# Altium PCB VALVEBOARD_Kun.PcbDoc (part 2 of 13)
Units mil, origin at the board's own origin, x right, y up, seen from the top; angles counter-clockwise.
Board outline 10923.41 x 5583.88 mil, 2 copper layers (Top Layer, Bottom Layer), stack 10.8 mil thick; 1127 components, 626 nets, 3503 pads, 1418 vias.
Unrouted connection lines stored in the file: 1.
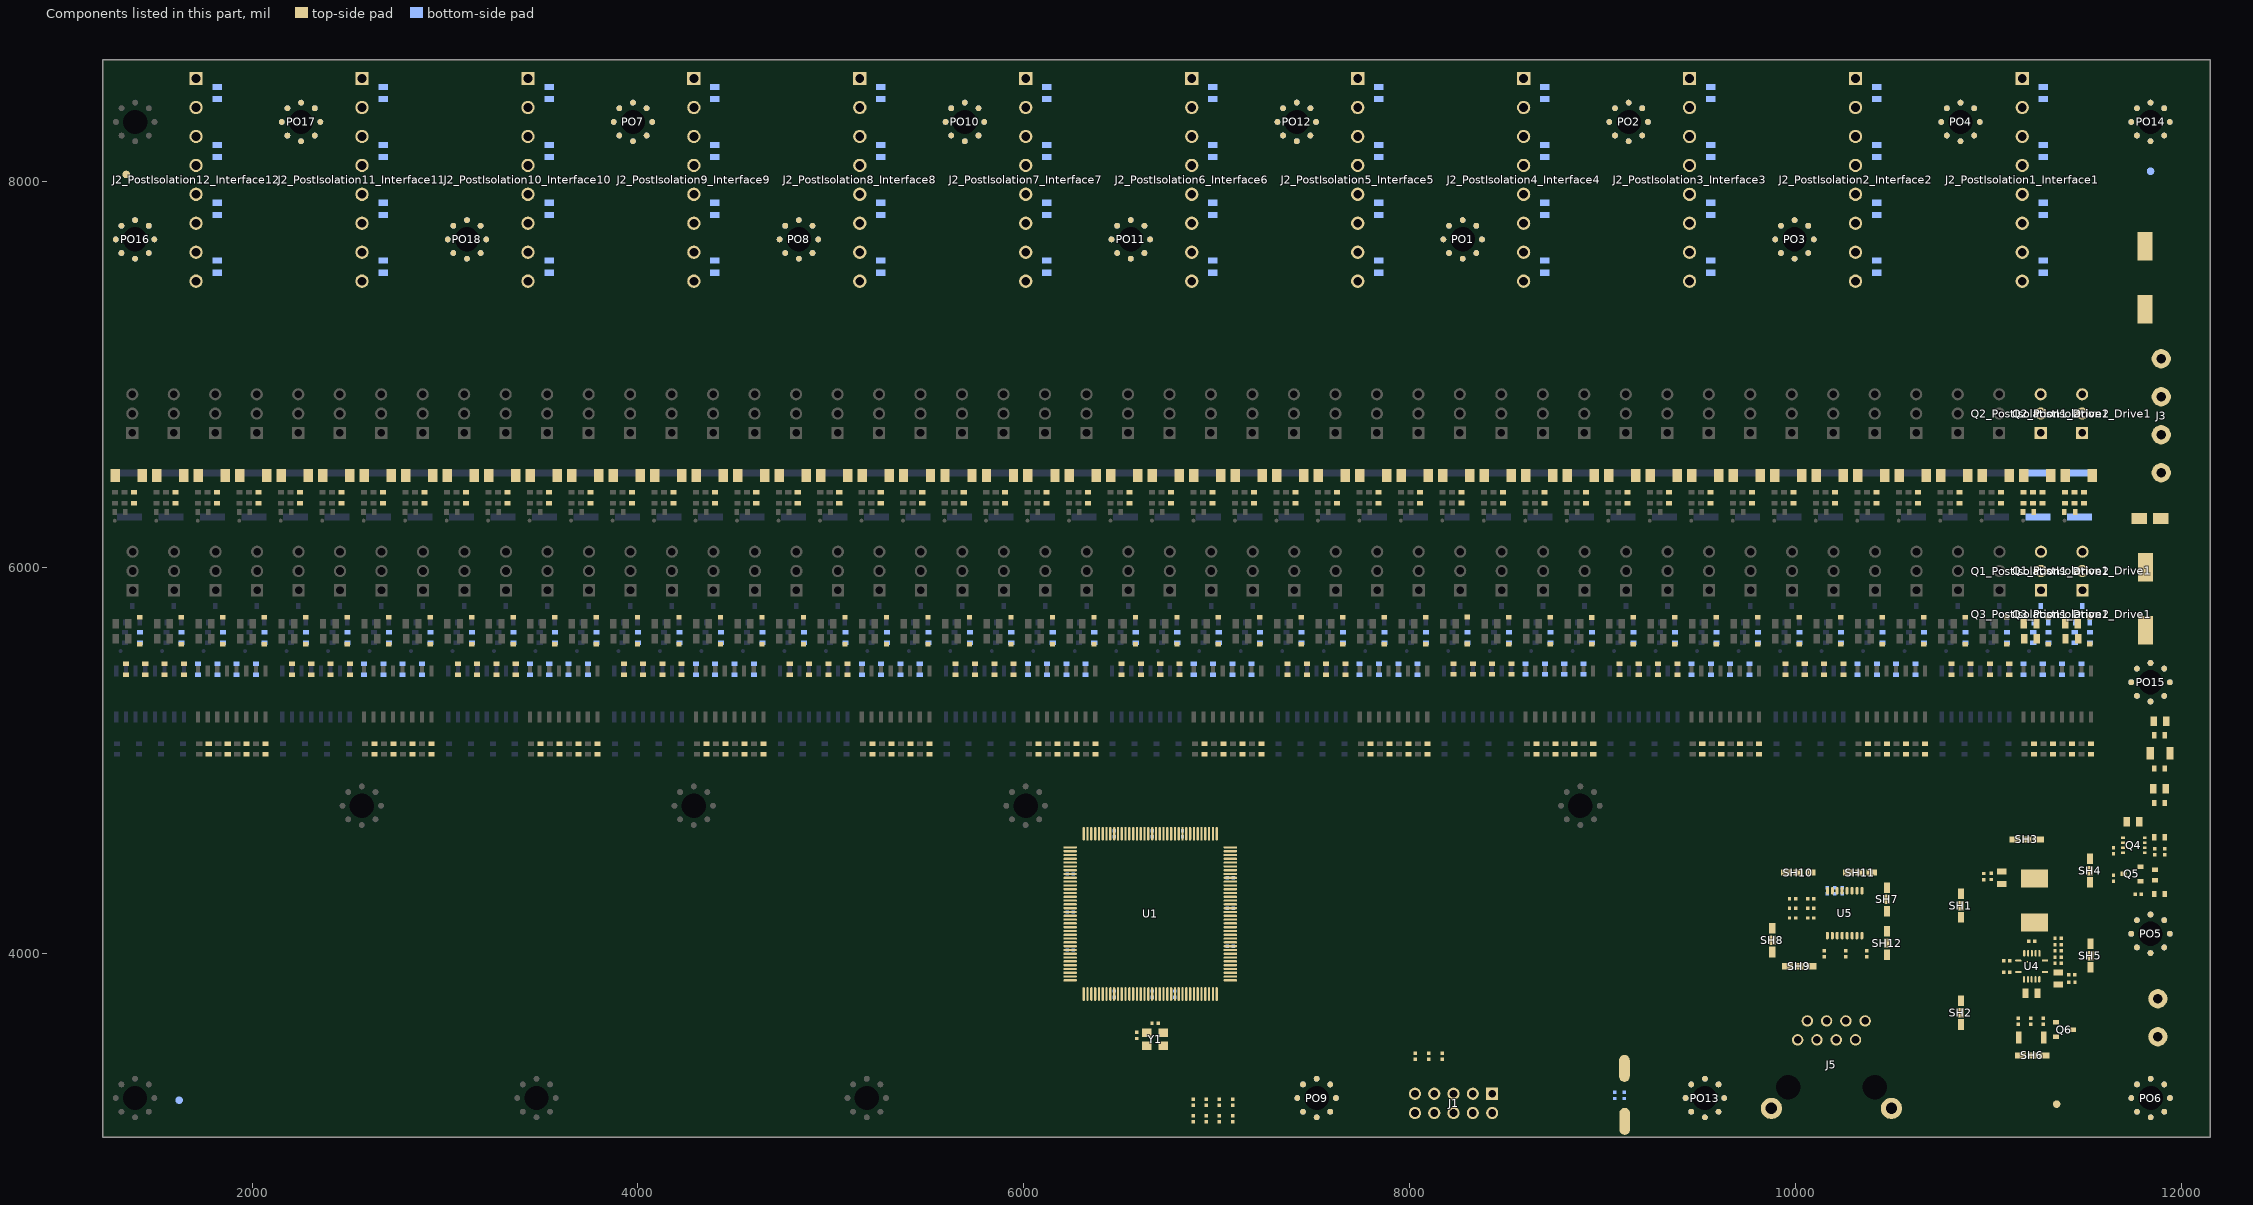
[diagram p2: the components of this part, seen from the top]

## Classes and differential pairs (continued)
component class PostIsolation1_Drive2: C27_PostIsolation1_Drive2 C28_PostIsolation1_Drive2 D5_PostIsolation1_Drive2 D6_PostIsolation1_Drive2 Q1_PostIsolation1_Drive2 Q2_PostIsolation1_Drive2 Q3_PostIsolation1_Drive2 R22_PostIsolation1_Drive2 R23_PostIsolation1_Drive2 R24_PostIsolation1_Drive2 R25_PostIsolation1_Drive2 R26_PostIsolation1_Drive2 R27_PostIsolation1_Drive2 R28_PostIsolation1_Drive2
component class PostIsolation1_Drive1: C27_PostIsolation1_Drive1 C28_PostIsolation1_Drive1 D5_PostIsolation1_Drive1 D6_PostIsolation1_Drive1 Q1_PostIsolation1_Drive1 Q2_PostIsolation1_Drive1 Q3_PostIsolation1_Drive1 R22_PostIsolation1_Drive1 R23_PostIsolation1_Drive1 R24_PostIsolation1_Drive1 R25_PostIsolation1_Drive1 R26_PostIsolation1_Drive1 R27_PostIsolation1_Drive1 R28_PostIsolation1_Drive1
component class Controller: C1 C2 C3 C4 C5 C6 C7 C8 C9 C10 C11 C12 C13 C14 J1 KEY1 R1 R2 R3 R4 R5 R6 R7 R8 R9 R10 R11 R12 R13 U1 Y1
differential pair class MY_DIFF: SCLK SDATA SEN
channel class VALVEBOARD_ValveInterface: PostIsolation1_Interface1 PostIsolation2_Interface2 PostIsolation3_Interface3 PostIsolation4_Interface4 PostIsolation5_Interface5 PostIsolation6_Interface6 PostIsolation7_Interface7 PostIsolation8_Interface8 PostIsolation9_Interface9 PostIsolation10_Interface10 PostIsolation11_Interface11 PostIsolation12_Interface12
channel class VALVEBOARD_ValveDrive: PostIsolation1_Drive1 PostIsolation1_Drive2 PostIsolation1_Drive3 PostIsolation1_Drive4 PostIsolation2_Drive1 PostIsolation2_Drive2 PostIsolation2_Drive3 PostIsolation2_Drive4 PostIsolation3_Drive1 PostIsolation3_Drive2 PostIsolation3_Drive3 PostIsolation3_Drive4 PostIsolation4_Drive1 PostIsolation4_Drive2 PostIsolation4_Drive3 PostIsolation4_Drive4 PostIsolation5_Drive1 PostIsolation5_Drive2 PostIsolation5_Drive3 PostIsolation5_Drive4 PostIsolation6_Drive1 PostIsolation6_Drive2 PostIsolation6_Drive3 PostIsolation6_Drive4 PostIsolation7_Drive1 PostIsolation7_Drive2 PostIsolation7_Drive3 PostIsolation7_Drive4 PostIsolation8_Drive1 PostIsolation8_Drive2 PostIsolation8_Drive3 PostIsolation8_Drive4 PostIsolation9_Drive1 PostIsolation9_Drive2 PostIsolation9_Drive3 PostIsolation9_Drive4 PostIsolation10_Drive1 PostIsolation10_Drive2 PostIsolation10_Drive3 PostIsolation10_Drive4 PostIsolation11_Drive1 PostIsolation11_Drive2 PostIsolation11_Drive3 PostIsolation11_Drive4 PostIsolation12_Drive1 PostIsolation12_Drive2 PostIsolation12_Drive3 PostIsolation12_Drive4
channel class VALVEBOARD_PostIsolation: PostIsolation1 PostIsolation2 PostIsolation3 PostIsolation4 PostIsolation5 PostIsolation6 PostIsolation7 PostIsolation8 PostIsolation9 PostIsolation10 PostIsolation11 PostIsolation12
channel class VALVEBOARD_Isolation: PostIsolation1_Isolation1 PostIsolation2_Isolation2 PostIsolation3_Isolation3 PostIsolation4_Isolation4 PostIsolation5_Isolation5 PostIsolation6_Isolation6 PostIsolation7_Isolation7 PostIsolation8_Isolation8 PostIsolation9_Isolation9 PostIsolation10_Isolation10 PostIsolation11_Isolation11 PostIsolation12_Isolation12
net class UP4_[1..12]: UP4_1 UP4_2 UP4_3 UP4_4 UP4_5 UP4_6 UP4_7 UP4_8 UP4_9 UP4_10 UP4_11 UP4_12
net class UP3_[1..12]: UP3_1 UP3_2 UP3_3 UP3_4 UP3_5 UP3_6 UP3_7 UP3_8 UP3_9 UP3_10 UP3_11 UP3_12
net class UP2_[1..12]: UP2_1 UP2_2 UP2_3 UP2_4 UP2_5 UP2_6 UP2_7 UP2_8 UP2_9 UP2_10 UP2_11 UP2_12
net class UP1_[1..12]: UP1_1 UP1_2 UP1_3 UP1_4 UP1_5 UP1_6 UP1_7 UP1_8 UP1_9 UP1_10 UP1_11 UP1_12
net class LO4_[1..12]: LO4_1 LO4_2 LO4_3 LO4_4 LO4_5 LO4_6 LO4_7 LO4_8 LO4_9 LO4_10 LO4_11 LO4_12
net class LO3_[1..12]: LO3_1 LO3_2 LO3_3 LO3_4 LO3_5 LO3_6 LO3_7 LO3_8 LO3_9 LO3_10 LO3_11 LO3_12
net class LO2_[1..12]: LO2_1 LO2_2 LO2_3 LO2_4 LO2_5 LO2_6 LO2_7 LO2_8 LO2_9 LO2_10 LO2_11 LO2_12
net class LO1_[1..12]: LO1_1 LO1_2 LO1_3 LO1_4 LO1_5 LO1_6 LO1_7 LO1_8 LO1_9 LO1_10 LO1_11 LO1_12
component class ValvePower: C29 C30 D7 D8 D9 D10 J3 MK1 MK2 MK3 MK4 PO1 PO2 PO3 PO4 PO5 PO6 PO7 PO8 PO9 PO10 PO11 PO12 PO13 PO14 PO15 PO16 PO17 PO18 R29 R30 R31
component class DigitalPower: C31 C32 C33 C34 C35 C36 C37 C38 C39 C40 C41 D11 J4 L1 LED1 LED2 Q4 Q5 Q6 R32 R33 R34 R35 R36 R37 R38 R39 R40 R41 R42 R43 R44 R45 SH1 SH2 SH3 SH4 SH5 SH6 U4
component class DigitalInterface: C42 C43 C44 J5 R46 R47 R48 R49 R50 R51 R52 R53 R54 SH7 SH8 SH9 SH10 SH11 SH12 U5
differential pair SEN: +SEN_P -SEN_N
differential pair SDATA: +SDATA_P -SDATA_N
differential pair SCLK: +SCLK_P -SCLK_N

## Components (designator, comment, footprint, x,y, rotation, side; value= is the part's Value field where it differs from the comment)
C1 "C-NOMO" C0402 6585,3575 r90 top value=100nF
C2 "C-NOMO" C0402 9111.96,3264.09 r90 bottom value=1uF
C3 "C-NOMO" C0402 6664.84,3789.65 r90 bottom value=0.1uF
C4 "C-NOMO" C0402 6664.84,4620.35 r270 bottom value=0.1uF
C5 "C-NOMO" C0402 6822.32,4620.35 r270 bottom value=0.1uF
C6 "C-NOMO" C0402 6239.65,4214.84 r0 bottom value=0.1uF
C7 "C-NOMO" C0402 6467.99,4620.35 r270 bottom value=0.1uF
C8 "C-NOMO" C0402 6467.99,3789.65 r90 bottom value=0.1uF
C9 "C-NOMO" C0402 6239.65,4017.99 r0 bottom value=0.1uF
C10 "C-NOMO" C0402 6782.95,3789.65 r90 bottom value=0.1uF
C11 "C-NOMO" C0402 7070.35,4037.68 r180 bottom value=0.1uF
C12 "C-NOMO" C0402 7070.35,4234.53 r180 bottom value=0.1uF
C13 "C-NOMO" C0402 6239.65,4411.69 r0 bottom value=0.1uF
C14 "C-NOMO" C0402 7070.35,4392.01 r180 bottom value=0.1uF
C15_PostIsolation1_Isolation1 "C-NOMO" C0603 11007.18,5472.99 r270 top value=100nF (schematic designator C15)
C15_PostIsolation2_Isolation2 "C-NOMO" C0603 10147.06,5473.01 r270 top value=100nF (schematic designator C15)
C15_PostIsolation3_Isolation3 "C-NOMO" C0603 9287,5473.01 r270 top value=100nF (schematic designator C15)
C15_PostIsolation4_Isolation4 "C-NOMO" C0603 8426.99,5473.44 r270 top value=100nF (schematic designator C15)
C15_PostIsolation5_Isolation5 "C-NOMO" C0603 7566.93,5472.99 r270 top value=100nF (schematic designator C15)
C15_PostIsolation6_Isolation6 "C-NOMO" C0603 6706.87,5472.99 r270 top value=100nF (schematic designator C15)
C15_PostIsolation7_Isolation7 "C-NOMO" C0603 5846.81,5472.99 r270 top value=100nF (schematic designator C15)
C15_PostIsolation8_Isolation8 "C-NOMO" C0603 4986.75,5472.99 r270 top value=100nF (schematic designator C15)
C15_PostIsolation9_Isolation9 "C-NOMO" C0603 4126.69,5472.99 r270 top value=100nF (schematic designator C15)
C15_PostIsolation10_Isolation10 "C-NOMO" C0603 3266.63,5472.99 r270 top value=100nF (schematic designator C15)
C15_PostIsolation11_Isolation11 "C-NOMO" C0603 2406.57,5472.99 r270 top value=100nF (schematic designator C15)
C15_PostIsolation12_Isolation12 "C-NOMO" C0603 1546.51,5472.99 r270 top value=100nF (schematic designator C15)
C16_PostIsolation1_Isolation1 "C-NOMO" C0603 11107.18,5472.99 r270 top value=100nF (schematic designator C16)
C16_PostIsolation2_Isolation2 "C-NOMO" C0603 10247.06,5473.01 r270 top value=100nF (schematic designator C16)
C16_PostIsolation3_Isolation3 "C-NOMO" C0603 9387,5473.01 r270 top value=100nF (schematic designator C16)
C16_PostIsolation4_Isolation4 "C-NOMO" C0603 8526.99,5473.44 r270 top value=100nF (schematic designator C16)
C16_PostIsolation5_Isolation5 "C-NOMO" C0603 7666.93,5472.99 r270 top value=100nF (schematic designator C16)
C16_PostIsolation6_Isolation6 "C-NOMO" C0603 6806.87,5472.99 r270 top value=100nF (schematic designator C16)
C16_PostIsolation7_Isolation7 "C-NOMO" C0603 5946.81,5472.99 r270 top value=100nF (schematic designator C16)
C16_PostIsolation8_Isolation8 "C-NOMO" C0603 5086.75,5472.99 r270 top value=100nF (schematic designator C16)
C16_PostIsolation9_Isolation9 "C-NOMO" C0603 4226.69,5472.99 r270 top value=100nF (schematic designator C16)
C16_PostIsolation10_Isolation10 "C-NOMO" C0603 3366.63,5472.99 r270 top value=100nF (schematic designator C16)
C16_PostIsolation11_Isolation11 "C-NOMO" C0603 2506.57,5472.99 r270 top value=100nF (schematic designator C16)
C16_PostIsolation12_Isolation12 "C-NOMO" C0603 1646.51,5472.99 r270 top value=100nF (schematic designator C16)
C17_PostIsolation1_Isolation1 "C-NOMO" C0603 10807.18,5472.99 r270 top value=100nF (schematic designator C17)
C17_PostIsolation2_Isolation2 "C-NOMO" C0603 9947.06,5473.01 r270 top value=100nF (schematic designator C17)
C17_PostIsolation3_Isolation3 "C-NOMO" C0603 9087,5473.01 r270 top value=100nF (schematic designator C17)
C17_PostIsolation4_Isolation4 "C-NOMO" C0603 8226.99,5473.44 r270 top value=100nF (schematic designator C17)
C17_PostIsolation5_Isolation5 "C-NOMO" C0603 7366.93,5472.99 r270 top value=100nF (schematic designator C17)
C17_PostIsolation6_Isolation6 "C-NOMO" C0603 6506.87,5472.99 r270 top value=100nF (schematic designator C17)
C17_PostIsolation7_Isolation7 "C-NOMO" C0603 5646.81,5472.99 r270 top value=100nF (schematic designator C17)
C17_PostIsolation8_Isolation8 "C-NOMO" C0603 4786.75,5472.99 r270 top value=100nF (schematic designator C17)
C17_PostIsolation9_Isolation9 "C-NOMO" C0603 3926.69,5472.99 r270 top value=100nF (schematic designator C17)
C17_PostIsolation10_Isolation10 "C-NOMO" C0603 3066.63,5472.99 r270 top value=100nF (schematic designator C17)
C17_PostIsolation11_Isolation11 "C-NOMO" C0603 2206.57,5472.99 r270 top value=100nF (schematic designator C17)
C17_PostIsolation12_Isolation12 "C-NOMO" C0603 1346.51,5472.99 r270 top value=100nF (schematic designator C17)
C18_PostIsolation1_Isolation1 "C-NOMO" C0603 10907.18,5472.99 r270 top value=100nF (schematic designator C18)
C18_PostIsolation2_Isolation2 "C-NOMO" C0603 10047.06,5473.01 r270 top value=100nF (schematic designator C18)
C18_PostIsolation3_Isolation3 "C-NOMO" C0603 9187,5473.01 r270 top value=100nF (schematic designator C18)
C18_PostIsolation4_Isolation4 "C-NOMO" C0603 8326.99,5473.44 r270 top value=100nF (schematic designator C18)
C18_PostIsolation5_Isolation5 "C-NOMO" C0603 7466.93,5472.99 r270 top value=100nF (schematic designator C18)
C18_PostIsolation6_Isolation6 "C-NOMO" C0603 6606.87,5472.99 r270 top value=100nF (schematic designator C18)
C18_PostIsolation7_Isolation7 "C-NOMO" C0603 5746.81,5472.99 r270 top value=100nF (schematic designator C18)
C18_PostIsolation8_Isolation8 "C-NOMO" C0603 4886.75,5472.99 r270 top value=100nF (schematic designator C18)
C18_PostIsolation9_Isolation9 "C-NOMO" C0603 4026.69,5472.99 r270 top value=100nF (schematic designator C18)
C18_PostIsolation10_Isolation10 "C-NOMO" C0603 3166.63,5472.99 r270 top value=100nF (schematic designator C18)
C18_PostIsolation11_Isolation11 "C-NOMO" C0603 2306.57,5472.99 r270 top value=100nF (schematic designator C18)
C18_PostIsolation12_Isolation12 "C-NOMO" C0603 1446.51,5472.99 r270 top value=100nF (schematic designator C18)
C19_PostIsolation1_Isolation1 "C-NOMO" C0603 11280.85,5472.99 r270 bottom value=100nF (schematic designator C19)
C19_PostIsolation2_Isolation2 "C-NOMO" C0603 10420.73,5473.01 r270 bottom value=100nF (schematic designator C19)
C19_PostIsolation3_Isolation3 "C-NOMO" C0603 9560.67,5473.01 r270 bottom value=100nF (schematic designator C19)
C19_PostIsolation4_Isolation4 "C-NOMO" C0603 8700.66,5473.44 r270 bottom value=100nF (schematic designator C19)
C19_PostIsolation5_Isolation5 "C-NOMO" C0603 7840.6,5472.99 r270 bottom value=100nF (schematic designator C19)
C19_PostIsolation6_Isolation6 "C-NOMO" C0603 6980.54,5472.99 r270 bottom value=100nF (schematic designator C19)
C19_PostIsolation7_Isolation7 "C-NOMO" C0603 6120.48,5472.99 r270 bottom value=100nF (schematic designator C19)
C19_PostIsolation8_Isolation8 "C-NOMO" C0603 5260.42,5472.99 r270 bottom value=100nF (schematic designator C19)
C19_PostIsolation9_Isolation9 "C-NOMO" C0603 4400.36,5472.99 r270 bottom value=100nF (schematic designator C19)
C19_PostIsolation10_Isolation10 "C-NOMO" C0603 3540.3,5472.99 r270 bottom value=100nF (schematic designator C19)
C19_PostIsolation11_Isolation11 "C-NOMO" C0603 2680.23,5472.99 r270 bottom value=100nF (schematic designator C19)
C19_PostIsolation12_Isolation12 "C-NOMO" C0603 1820.17,5472.99 r270 bottom value=100nF (schematic designator C19)
C20_PostIsolation1_Isolation1 "C-NOMO" C0603 11180.85,5472.99 r270 bottom value=100nF (schematic designator C20)
C20_PostIsolation2_Isolation2 "C-NOMO" C0603 10320.73,5473.01 r270 bottom value=100nF (schematic designator C20)
C20_PostIsolation3_Isolation3 "C-NOMO" C0603 9460.67,5473.01 r270 bottom value=100nF (schematic designator C20)
C20_PostIsolation4_Isolation4 "C-NOMO" C0603 8600.66,5473.44 r270 bottom value=100nF (schematic designator C20)
C20_PostIsolation5_Isolation5 "C-NOMO" C0603 7740.6,5472.99 r270 bottom value=100nF (schematic designator C20)
C20_PostIsolation6_Isolation6 "C-NOMO" C0603 6880.54,5472.99 r270 bottom value=100nF (schematic designator C20)
C20_PostIsolation7_Isolation7 "C-NOMO" C0603 6020.48,5472.99 r270 bottom value=100nF (schematic designator C20)
C20_PostIsolation8_Isolation8 "C-NOMO" C0603 5160.42,5472.99 r270 bottom value=100nF (schematic designator C20)
C20_PostIsolation9_Isolation9 "C-NOMO" C0603 4300.36,5472.99 r270 bottom value=100nF (schematic designator C20)
C20_PostIsolation10_Isolation10 "C-NOMO" C0603 3440.3,5472.99 r270 bottom value=100nF (schematic designator C20)
C20_PostIsolation11_Isolation11 "C-NOMO" C0603 2580.23,5472.99 r270 bottom value=100nF (schematic designator C20)
C20_PostIsolation12_Isolation12 "C-NOMO" C0603 1720.17,5472.99 r270 bottom value=100nF (schematic designator C20)
C21_PostIsolation1_Isolation1 "C-NOMO" C0603 11480.85,5472.99 r270 bottom value=100nF (schematic designator C21)
C21_PostIsolation2_Isolation2 "C-NOMO" C0603 10620.73,5473.01 r270 bottom value=100nF (schematic designator C21)
C21_PostIsolation3_Isolation3 "C-NOMO" C0603 9760.67,5473.01 r270 bottom value=100nF (schematic designator C21)
C21_PostIsolation4_Isolation4 "C-NOMO" C0603 8900.66,5473.44 r270 bottom value=100nF (schematic designator C21)
C21_PostIsolation5_Isolation5 "C-NOMO" C0603 8040.6,5472.99 r270 bottom value=100nF (schematic designator C21)
C21_PostIsolation6_Isolation6 "C-NOMO" C0603 7180.54,5472.99 r270 bottom value=100nF (schematic designator C21)
C21_PostIsolation7_Isolation7 "C-NOMO" C0603 6320.48,5472.99 r270 bottom value=100nF (schematic designator C21)
C21_PostIsolation8_Isolation8 "C-NOMO" C0603 5460.42,5472.99 r270 bottom value=100nF (schematic designator C21)
C21_PostIsolation9_Isolation9 "C-NOMO" C0603 4600.36,5472.99 r270 bottom value=100nF (schematic designator C21)
C21_PostIsolation10_Isolation10 "C-NOMO" C0603 3740.3,5472.99 r270 bottom value=100nF (schematic designator C21)
C21_PostIsolation11_Isolation11 "C-NOMO" C0603 2880.23,5472.99 r270 bottom value=100nF (schematic designator C21)
C21_PostIsolation12_Isolation12 "C-NOMO" C0603 2020.17,5472.99 r270 bottom value=100nF (schematic designator C21)
C22_PostIsolation1_Isolation1 "C-NOMO" C0603 11380.85,5472.99 r270 bottom value=100nF (schematic designator C22)
C22_PostIsolation2_Isolation2 "C-NOMO" C0603 10520.73,5473.01 r270 bottom value=100nF (schematic designator C22)
C22_PostIsolation3_Isolation3 "C-NOMO" C0603 9660.67,5473.01 r270 bottom value=100nF (schematic designator C22)
C22_PostIsolation4_Isolation4 "C-NOMO" C0603 8800.66,5473.44 r270 bottom value=100nF (schematic designator C22)
C22_PostIsolation5_Isolation5 "C-NOMO" C0603 7940.6,5472.99 r270 bottom value=100nF (schematic designator C22)
C22_PostIsolation6_Isolation6 "C-NOMO" C0603 7080.54,5472.99 r270 bottom value=100nF (schematic designator C22)
C22_PostIsolation7_Isolation7 "C-NOMO" C0603 6220.48,5472.99 r270 bottom value=100nF (schematic designator C22)
C22_PostIsolation8_Isolation8 "C-NOMO" C0603 5360.42,5472.99 r270 bottom value=100nF (schematic designator C22)
C22_PostIsolation9_Isolation9 "C-NOMO" C0603 4500.36,5472.99 r270 bottom value=100nF (schematic designator C22)
C22_PostIsolation10_Isolation10 "C-NOMO" C0603 3640.3,5472.99 r270 bottom value=100nF (schematic designator C22)
C22_PostIsolation11_Isolation11 "C-NOMO" C0603 2780.23,5472.99 r270 bottom value=100nF (schematic designator C22)
C22_PostIsolation12_Isolation12 "C-NOMO" C0603 1920.17,5472.99 r270 bottom value=100nF (schematic designator C22)
C23_PostIsolation1_Interface1 "C-NOMO" C0805 11283.66,8459.21 r90 bottom value=1uF (schematic designator C23)
C23_PostIsolation2_Interface2 "C-NOMO" C0805 10419.48,8459.28 r90 bottom value=1uF (schematic designator C23)
C23_PostIsolation3_Interface3 "C-NOMO" C0805 9559.42,8459.28 r90 bottom value=1uF (schematic designator C23)
C23_PostIsolation4_Interface4 "C-NOMO" C0805 8699.35,8459.28 r90 bottom value=1uF (schematic designator C23)
C23_PostIsolation5_Interface5 "C-NOMO" C0805 7839.29,8459.35 r90 bottom value=1uF (schematic designator C23)
C23_PostIsolation6_Interface6 "C-NOMO" C0805 6979.23,8459.28 r90 bottom value=1uF (schematic designator C23)
C23_PostIsolation7_Interface7 "C-NOMO" C0805 6119.17,8459.35 r90 bottom value=1uF (schematic designator C23)
C23_PostIsolation8_Interface8 "C-NOMO" C0805 5259.11,8459.28 r90 bottom value=1uF (schematic designator C23)
C23_PostIsolation9_Interface9 "C-NOMO" C0805 4399.05,8459.34 r90 bottom value=1uF (schematic designator C23)
C23_PostIsolation10_Interface10 "C-NOMO" C0805 3538.99,8459.28 r90 bottom value=1uF (schematic designator C23)
C23_PostIsolation11_Interface11 "C-NOMO" C0805 2678.93,8459.35 r90 bottom value=1uF (schematic designator C23)
C23_PostIsolation12_Interface12 "C-NOMO" C0805 1818.87,8459.28 r90 bottom value=1uF (schematic designator C23)
C24_PostIsolation1_Interface1 "C-NOMO" C0805 11283.66,8159.21 r90 bottom value=1uF (schematic designator C24)
C24_PostIsolation2_Interface2 "C-NOMO" C0805 10419.48,8159.28 r90 bottom value=1uF (schematic designator C24)
C24_PostIsolation3_Interface3 "C-NOMO" C0805 9559.42,8159.21 r90 bottom value=1uF (schematic designator C24)
C24_PostIsolation4_Interface4 "C-NOMO" C0805 8699.35,8159.28 r90 bottom value=1uF (schematic designator C24)
C24_PostIsolation5_Interface5 "C-NOMO" C0805 7839.29,8159.28 r90 bottom value=1uF (schematic designator C24)
C24_PostIsolation6_Interface6 "C-NOMO" C0805 6979.23,8159.28 r90 bottom value=1uF (schematic designator C24)
C24_PostIsolation7_Interface7 "C-NOMO" C0805 6119.17,8159.28 r90 bottom value=1uF (schematic designator C24)
C24_PostIsolation8_Interface8 "C-NOMO" C0805 5259.11,8159.28 r90 bottom value=1uF (schematic designator C24)
C24_PostIsolation9_Interface9 "C-NOMO" C0805 4399.05,8159.28 r90 bottom value=1uF (schematic designator C24)
C24_PostIsolation10_Interface10 "C-NOMO" C0805 3538.99,8159.28 r90 bottom value=1uF (schematic designator C24)
C24_PostIsolation11_Interface11 "C-NOMO" C0805 2678.93,8159.28 r90 bottom value=1uF (schematic designator C24)
C24_PostIsolation12_Interface12 "C-NOMO" C0805 1818.87,8159.28 r90 bottom value=1uF (schematic designator C24)
C25_PostIsolation1_Interface1 "C-NOMO" C0805 11283.66,7859.21 r90 bottom value=1uF (schematic designator C25)
C25_PostIsolation2_Interface2 "C-NOMO" C0805 10419.48,7859.28 r90 bottom value=1uF (schematic designator C25)
C25_PostIsolation3_Interface3 "C-NOMO" C0805 9559.42,7859.21 r90 bottom value=1uF (schematic designator C25)
C25_PostIsolation4_Interface4 "C-NOMO" C0805 8699.35,7859.28 r90 bottom value=1uF (schematic designator C25)
C25_PostIsolation5_Interface5 "C-NOMO" C0805 7839.29,7859.28 r90 bottom value=1uF (schematic designator C25)
C25_PostIsolation6_Interface6 "C-NOMO" C0805 6979.23,7859.28 r90 bottom value=1uF (schematic designator C25)
C25_PostIsolation7_Interface7 "C-NOMO" C0805 6119.17,7859.28 r90 bottom value=1uF (schematic designator C25)
C25_PostIsolation8_Interface8 "C-NOMO" C0805 5259.11,7859.28 r90 bottom value=1uF (schematic designator C25)
C25_PostIsolation9_Interface9 "C-NOMO" C0805 4399.05,7859.28 r90 bottom value=1uF (schematic designator C25)
C25_PostIsolation10_Interface10 "C-NOMO" C0805 3538.99,7859.28 r90 bottom value=1uF (schematic designator C25)
C25_PostIsolation11_Interface11 "C-NOMO" C0805 2678.93,7859.28 r90 bottom value=1uF (schematic designator C25)
C25_PostIsolation12_Interface12 "C-NOMO" C0805 1818.87,7859.28 r90 bottom value=1uF (schematic designator C25)
C26_PostIsolation1_Interface1 "C-NOMO" C0805 11283.66,7559.21 r90 bottom value=1uF (schematic designator C26)
C26_PostIsolation2_Interface2 "C-NOMO" C0805 10419.48,7559.28 r90 bottom value=1uF (schematic designator C26)
C26_PostIsolation3_Interface3 "C-NOMO" C0805 9559.42,7559.21 r90 bottom value=1uF (schematic designator C26)
C26_PostIsolation4_Interface4 "C-NOMO" C0805 8699.35,7559.28 r90 bottom value=1uF (schematic designator C26)
C26_PostIsolation5_Interface5 "C-NOMO" C0805 7839.29,7559.28 r90 bottom value=1uF (schematic designator C26)
C26_PostIsolation6_Interface6 "C-NOMO" C0805 6979.23,7559.28 r90 bottom value=1uF (schematic designator C26)
C26_PostIsolation7_Interface7 "C-NOMO" C0805 6119.17,7559.28 r90 bottom value=1uF (schematic designator C26)
C26_PostIsolation8_Interface8 "C-NOMO" C0805 5259.11,7559.28 r90 bottom value=1uF (schematic designator C26)
C26_PostIsolation9_Interface9 "C-NOMO" C0805 4399.05,7559.28 r90 bottom value=1uF (schematic designator C26)
C26_PostIsolation10_Interface10 "C-NOMO" C0805 3538.99,7559.28 r90 bottom value=1uF (schematic designator C26)
C26_PostIsolation11_Interface11 "C-NOMO" C0805 2678.93,7559.28 r90 bottom value=1uF (schematic designator C26)
C26_PostIsolation12_Interface12 "C-NOMO" C0805 1818.87,7559.28 r90 bottom value=1uF (schematic designator C26)
C27_PostIsolation1_Drive1 "C-NOMO" C0603 11493.74,6361.84 r90 top value=1nF (schematic designator C27)
C27_PostIsolation1_Drive2 "C-NOMO" C0603 11278.73,6361.71 r90 top value=1nF (schematic designator C27)
C27_PostIsolation1_Drive3 "C-NOMO" C0603 11063.58,6361.71 r90 top value=1nF (schematic designator C27)
C27_PostIsolation1_Drive4 "C-NOMO" C0603 10848.8,6361.71 r90 top value=1nF (schematic designator C27)
C27_PostIsolation2_Drive1 "C-NOMO" C0603 10633.68,6361.71 r90 top value=1nF (schematic designator C27)
C27_PostIsolation2_Drive2 "C-NOMO" C0603 10418.67,6361.71 r90 top value=1nF (schematic designator C27)
C27_PostIsolation2_Drive3 "C-NOMO" C0603 10203.65,6361.71 r90 top value=1nF (schematic designator C27)
C27_PostIsolation2_Drive4 "C-NOMO" C0603 9988.64,6361.71 r90 top value=1nF (schematic designator C27)
C27_PostIsolation3_Drive1 "C-NOMO" C0603 9773.62,6361.71 r90 top value=1nF (schematic designator C27)
C27_PostIsolation3_Drive2 "C-NOMO" C0603 9558.6,6361.71 r90 top value=1nF (schematic designator C27)
C27_PostIsolation3_Drive3 "C-NOMO" C0603 9343.59,6361.71 r90 top value=1nF (schematic designator C27)
C27_PostIsolation3_Drive4 "C-NOMO" C0603 9128.57,6361.71 r90 top value=1nF (schematic designator C27)
C27_PostIsolation4_Drive1 "C-NOMO" C0603 8913.56,6361.58 r90 top value=1nF (schematic designator C27)
C27_PostIsolation4_Drive2 "C-NOMO" C0603 8698.54,6361.71 r90 top value=1nF (schematic designator C27)
C27_PostIsolation4_Drive3 "C-NOMO" C0603 8483.53,6361.71 r90 top value=1nF (schematic designator C27)
C27_PostIsolation4_Drive4 "C-NOMO" C0603 8268.51,6362.15 r90 top value=1nF (schematic designator C27)
C27_PostIsolation5_Drive1 "C-NOMO" C0603 8053.5,6361.71 r90 top value=1nF (schematic designator C27)
C27_PostIsolation5_Drive2 "C-NOMO" C0603 7838.48,6361.71 r90 top value=1nF (schematic designator C27)
C27_PostIsolation5_Drive3 "C-NOMO" C0603 7623.47,6361.71 r90 top value=1nF (schematic designator C27)
C27_PostIsolation5_Drive4 "C-NOMO" C0603 7408.45,6361.71 r90 top value=1nF (schematic designator C27)
C27_PostIsolation6_Drive1 "C-NOMO" C0603 7193.44,6361.71 r90 top value=1nF (schematic designator C27)
C27_PostIsolation6_Drive2 "C-NOMO" C0603 6978.42,6361.71 r90 top value=1nF (schematic designator C27)
C27_PostIsolation6_Drive3 "C-NOMO" C0603 6763.41,6361.71 r90 top value=1nF (schematic designator C27)
C27_PostIsolation6_Drive4 "C-NOMO" C0603 6548.39,6361.71 r90 top value=1nF (schematic designator C27)
C27_PostIsolation7_Drive1 "C-NOMO" C0603 6333.38,6361.71 r90 top value=1nF (schematic designator C27)
C27_PostIsolation7_Drive2 "C-NOMO" C0603 6118.36,6361.71 r90 top value=1nF (schematic designator C27)
C27_PostIsolation7_Drive3 "C-NOMO" C0603 5903.35,6361.71 r90 top value=1nF (schematic designator C27)
C27_PostIsolation7_Drive4 "C-NOMO" C0603 5688.33,6361.71 r90 top value=1nF (schematic designator C27)
C27_PostIsolation8_Drive1 "C-NOMO" C0603 5473.32,6361.71 r90 top value=1nF (schematic designator C27)
C27_PostIsolation8_Drive2 "C-NOMO" C0603 5258.3,6361.71 r90 top value=1nF (schematic designator C27)
C27_PostIsolation8_Drive3 "C-NOMO" C0603 5043.29,6361.71 r90 top value=1nF (schematic designator C27)
C27_PostIsolation8_Drive4 "C-NOMO" C0603 4828.27,6361.71 r90 top value=1nF (schematic designator C27)
C27_PostIsolation9_Drive1 "C-NOMO" C0603 4613.26,6361.71 r90 top value=1nF (schematic designator C27)
C27_PostIsolation9_Drive2 "C-NOMO" C0603 4398.24,6361.71 r90 top value=1nF (schematic designator C27)
C27_PostIsolation9_Drive3 "C-NOMO" C0603 4183.23,6361.71 r90 top value=1nF (schematic designator C27)
C27_PostIsolation9_Drive4 "C-NOMO" C0603 3968.21,6361.71 r90 top value=1nF (schematic designator C27)
C27_PostIsolation10_Drive1 "C-NOMO" C0603 3753.19,6361.71 r90 top value=1nF (schematic designator C27)
C27_PostIsolation10_Drive2 "C-NOMO" C0603 3538.18,6361.71 r90 top value=1nF (schematic designator C27)
C27_PostIsolation10_Drive3 "C-NOMO" C0603 3323.16,6361.71 r90 top value=1nF (schematic designator C27)
C27_PostIsolation10_Drive4 "C-NOMO" C0603 3108.15,6361.71 r90 top value=1nF (schematic designator C27)
C27_PostIsolation11_Drive1 "C-NOMO" C0603 2893.13,6361.71 r90 top value=1nF (schematic designator C27)
C27_PostIsolation11_Drive2 "C-NOMO" C0603 2678.12,6361.71 r90 top value=1nF (schematic designator C27)
C27_PostIsolation11_Drive3 "C-NOMO" C0603 2463.1,6361.71 r90 top value=1nF (schematic designator C27)
C27_PostIsolation11_Drive4 "C-NOMO" C0603 2248.09,6361.71 r90 top value=1nF (schematic designator C27)
C27_PostIsolation12_Drive1 "C-NOMO" C0603 2033.07,6361.71 r90 top value=1nF (schematic designator C27)
C27_PostIsolation12_Drive2 "C-NOMO" C0603 1818.06,6361.71 r90 top value=1nF (schematic designator C27)
C27_PostIsolation12_Drive3 "C-NOMO" C0603 1603.04,6361.71 r90 top value=1nF (schematic designator C27)
C27_PostIsolation12_Drive4 "C-NOMO" C0603 1388.03,6361.71 r90 top value=1nF (schematic designator C27)
C28_PostIsolation1_Drive1 "C-NOMO" C0603 11525.21,5637.87 r270 bottom value=1nF (schematic designator C28)
C28_PostIsolation1_Drive2 "C-NOMO" C0603 11310.21,5637.74 r270 bottom value=1nF (schematic designator C28)
C28_PostIsolation1_Drive3 "C-NOMO" C0603 11095.06,5637.74 r270 bottom value=1nF (schematic designator C28)
C28_PostIsolation1_Drive4 "C-NOMO" C0603 10880.28,5637.74 r270 bottom value=1nF (schematic designator C28)
C28_PostIsolation2_Drive1 "C-NOMO" C0603 10665.16,5637.74 r270 bottom value=1nF (schematic designator C28)
C28_PostIsolation2_Drive2 "C-NOMO" C0603 10450.14,5637.74 r270 bottom value=1nF (schematic designator C28)
C28_PostIsolation2_Drive3 "C-NOMO" C0603 10235.13,5637.74 r270 bottom value=1nF (schematic designator C28)
C28_PostIsolation2_Drive4 "C-NOMO" C0603 10020.11,5637.74 r270 bottom value=1nF (schematic designator C28)
C28_PostIsolation3_Drive1 "C-NOMO" C0603 9805.1,5637.74 r270 bottom value=1nF (schematic designator C28)
C28_PostIsolation3_Drive2 "C-NOMO" C0603 9590.08,5637.74 r270 bottom value=1nF (schematic designator C28)
C28_PostIsolation3_Drive3 "C-NOMO" C0603 9375.07,5637.74 r270 bottom value=1nF (schematic designator C28)
C28_PostIsolation3_Drive4 "C-NOMO" C0603 9160.05,5637.74 r270 bottom value=1nF (schematic designator C28)
C28_PostIsolation4_Drive1 "C-NOMO" C0603 8945.04,5637.61 r270 bottom value=1nF (schematic designator C28)
C28_PostIsolation4_Drive2 "C-NOMO" C0603 8730.02,5637.74 r270 bottom value=1nF (schematic designator C28)
C28_PostIsolation4_Drive3 "C-NOMO" C0603 8515.01,5637.74 r270 bottom value=1nF (schematic designator C28)
C28_PostIsolation4_Drive4 "C-NOMO" C0603 8299.99,5638.19 r270 bottom value=1nF (schematic designator C28)
C28_PostIsolation5_Drive1 "C-NOMO" C0603 8084.97,5637.74 r270 bottom value=1nF (schematic designator C28)
C28_PostIsolation5_Drive2 "C-NOMO" C0603 7869.96,5637.74 r270 bottom value=1nF (schematic designator C28)
C28_PostIsolation5_Drive3 "C-NOMO" C0603 7654.94,5637.74 r270 bottom value=1nF (schematic designator C28)
C28_PostIsolation5_Drive4 "C-NOMO" C0603 7439.93,5637.74 r270 bottom value=1nF (schematic designator C28)
C28_PostIsolation6_Drive1 "C-NOMO" C0603 7224.91,5637.74 r270 bottom value=1nF (schematic designator C28)
C28_PostIsolation6_Drive2 "C-NOMO" C0603 7009.9,5637.74 r270 bottom value=1nF (schematic designator C28)
C28_PostIsolation6_Drive3 "C-NOMO" C0603 6794.88,5637.74 r270 bottom value=1nF (schematic designator C28)
C28_PostIsolation6_Drive4 "C-NOMO" C0603 6579.87,5637.74 r270 bottom value=1nF (schematic designator C28)
C28_PostIsolation7_Drive1 "C-NOMO" C0603 6364.85,5637.74 r270 bottom value=1nF (schematic designator C28)
C28_PostIsolation7_Drive2 "C-NOMO" C0603 6149.84,5637.74 r270 bottom value=1nF (schematic designator C28)
C28_PostIsolation7_Drive3 "C-NOMO" C0603 5934.82,5637.74 r270 bottom value=1nF (schematic designator C28)
C28_PostIsolation7_Drive4 "C-NOMO" C0603 5719.81,5637.74 r270 bottom value=1nF (schematic designator C28)
C28_PostIsolation8_Drive1 "C-NOMO" C0603 5504.79,5637.74 r270 bottom value=1nF (schematic designator C28)
C28_PostIsolation8_Drive2 "C-NOMO" C0603 5289.78,5637.74 r270 bottom value=1nF (schematic designator C28)
C28_PostIsolation8_Drive3 "C-NOMO" C0603 5074.76,5637.74 r270 bottom value=1nF (schematic designator C28)
C28_PostIsolation8_Drive4 "C-NOMO" C0603 4859.75,5637.74 r270 bottom value=1nF (schematic designator C28)
C28_PostIsolation9_Drive1 "C-NOMO" C0603 4644.73,5637.74 r270 bottom value=1nF (schematic designator C28)
C28_PostIsolation9_Drive2 "C-NOMO" C0603 4429.72,5637.74 r270 bottom value=1nF (schematic designator C28)
C28_PostIsolation9_Drive3 "C-NOMO" C0603 4214.7,5637.74 r270 bottom value=1nF (schematic designator C28)
C28_PostIsolation9_Drive4 "C-NOMO" C0603 3999.69,5637.74 r270 bottom value=1nF (schematic designator C28)
C28_PostIsolation10_Drive1 "C-NOMO" C0603 3784.67,5637.74 r270 bottom value=1nF (schematic designator C28)
C28_PostIsolation10_Drive2 "C-NOMO" C0603 3569.66,5637.74 r270 bottom value=1nF (schematic designator C28)
C28_PostIsolation10_Drive3 "C-NOMO" C0603 3354.64,5637.74 r270 bottom value=1nF (schematic designator C28)
C28_PostIsolation10_Drive4 "C-NOMO" C0603 3139.63,5637.74 r270 bottom value=1nF (schematic designator C28)
C28_PostIsolation11_Drive1 "C-NOMO" C0603 2924.61,5637.74 r270 bottom value=1nF (schematic designator C28)
C28_PostIsolation11_Drive2 "C-NOMO" C0603 2709.59,5637.74 r270 bottom value=1nF (schematic designator C28)
C28_PostIsolation11_Drive3 "C-NOMO" C0603 2494.58,5637.74 r270 bottom value=1nF (schematic designator C28)
C28_PostIsolation11_Drive4 "C-NOMO" C0603 2279.56,5637.74 r270 bottom value=1nF (schematic designator C28)
C28_PostIsolation12_Drive1 "C-NOMO" C0603 2064.55,5637.74 r270 bottom value=1nF (schematic designator C28)
C28_PostIsolation12_Drive2 "C-NOMO" C0603 1849.53,5637.74 r270 bottom value=1nF (schematic designator C28)
C28_PostIsolation12_Drive3 "C-NOMO" C0603 1634.52,5637.74 r270 bottom value=1nF (schematic designator C28)
C28_PostIsolation12_Drive4 "C-NOMO" C0603 1419.5,5637.74 r270 bottom value=1nF (schematic designator C28)
C29 "C-POL" C_10_10R2 11812.49,5838.16 r90 top value=470uF
C30 "C-POL" C_10_10R2 11810.19,7501.15 r270 top value=470uF
C31 "C-NOMO" C0402 11223.52,4063.61 r0 top value=100nF
C32 "C-NOMO" C0805 11067.17,4392.33 r90 top value=47uF
C33 "C-NOMO" C0402 10975.4,4398.5 r90 top value=100nF
C34 "C-NOMO" C0402 11013.72,4399.13 r90 top value=100nF
C35 "C-NOMO" C0805 11222.13,3794.13 r0 top value=10uF
C36 "C-NOMO" C0805 11359.94,3870.4 r270 top value=4.7uF
C37 "C-NOMO" C0402 11360.05,4013.45 r180 top value=10n
C38 "C-NOMO" C0402 11360.05,3948.46 r180 top value=8.2nF
C39 "C-NOMO" C0402 11861.13,4527.01 r90 top value=100nF
C40 "C-NOMO" C0402 11153.78,3648.9 r270 top value=100nF
C41 "C-NOMO" C0603 11862.12,4406.83 r270 top value=1uF
C42 "C-NOMO" C0402 10202.63,4324.84 r270 bottom value=100nF
C43 "C-NOMO" C0402 10241.01,4324.84 r270 bottom value=1nF
C44 "C-NOMO" C0402 10164.24,4324.84 r270 bottom value=1nF
D1_PostIsolation1_Isolation1 "LED" LED0603 11236.1,5059.85 r90 top (schematic designator D1)
D1_PostIsolation2_Isolation2 "LED" LED0603 10375.97,5059.87 r90 top (schematic designator D1)
D1_PostIsolation3_Isolation3 "LED" LED0603 9515.91,5059.87 r90 top (schematic designator D1)
D1_PostIsolation4_Isolation4 "LED" LED0603 8655.91,5060.3 r90 top (schematic designator D1)
D1_PostIsolation5_Isolation5 "LED" LED0603 7795.85,5059.85 r90 top (schematic designator D1)
D1_PostIsolation6_Isolation6 "LED" LED0603 6935.79,5059.85 r90 top (schematic designator D1)
D1_PostIsolation7_Isolation7 "LED" LED0603 6075.72,5059.85 r90 top (schematic designator D1)
D1_PostIsolation8_Isolation8 "LED" LED0603 5215.66,5059.85 r90 top (schematic designator D1)
D1_PostIsolation9_Isolation9 "LED" LED0603 4355.6,5059.85 r90 top (schematic designator D1)
D1_PostIsolation10_Isolation10 "LED" LED0603 3495.54,5059.85 r90 top (schematic designator D1)
D1_PostIsolation11_Isolation11 "LED" LED0603 2635.48,5059.85 r90 top (schematic designator D1)
D1_PostIsolation12_Isolation12 "LED" LED0603 1775.42,5059.85 r90 top (schematic designator D1)
D2_PostIsolation1_Isolation1 "LED" LED0603 11334.48,5059.85 r90 top (schematic designator D2)
D2_PostIsolation2_Isolation2 "LED" LED0603 10474.36,5059.87 r90 top (schematic designator D2)
D2_PostIsolation3_Isolation3 "LED" LED0603 9614.3,5059.87 r90 top (schematic designator D2)
D2_PostIsolation4_Isolation4 "LED" LED0603 8754.29,5060.3 r90 top (schematic designator D2)
D2_PostIsolation5_Isolation5 "LED" LED0603 7894.23,5059.85 r90 top (schematic designator D2)
D2_PostIsolation6_Isolation6 "LED" LED0603 7034.17,5059.85 r90 top (schematic designator D2)
D2_PostIsolation7_Isolation7 "LED" LED0603 6174.11,5059.85 r90 top (schematic designator D2)
D2_PostIsolation8_Isolation8 "LED" LED0603 5314.05,5059.85 r90 top (schematic designator D2)
D2_PostIsolation9_Isolation9 "LED" LED0603 4453.99,5059.85 r90 top (schematic designator D2)
D2_PostIsolation10_Isolation10 "LED" LED0603 3593.93,5059.85 r90 top (schematic designator D2)
D2_PostIsolation11_Isolation11 "LED" LED0603 2733.86,5059.85 r90 top (schematic designator D2)
D2_PostIsolation12_Isolation12 "LED" LED0603 1873.8,5059.85 r90 top (schematic designator D2)
D3_PostIsolation1_Isolation1 "LED" LED0603 11432.86,5059.85 r90 top (schematic designator D3)
D3_PostIsolation2_Isolation2 "LED" LED0603 10572.74,5059.87 r90 top (schematic designator D3)
D3_PostIsolation3_Isolation3 "LED" LED0603 9712.68,5059.87 r90 top (schematic designator D3)
D3_PostIsolation4_Isolation4 "LED" LED0603 8852.67,5060.3 r90 top (schematic designator D3)
D3_PostIsolation5_Isolation5 "LED" LED0603 7992.61,5059.85 r90 top (schematic designator D3)
D3_PostIsolation6_Isolation6 "LED" LED0603 7132.55,5059.85 r90 top (schematic designator D3)
D3_PostIsolation7_Isolation7 "LED" LED0603 6272.49,5059.85 r90 top (schematic designator D3)
D3_PostIsolation8_Isolation8 "LED" LED0603 5412.43,5059.85 r90 top (schematic designator D3)
D3_PostIsolation9_Isolation9 "LED" LED0603 4552.37,5059.85 r90 top (schematic designator D3)
D3_PostIsolation10_Isolation10 "LED" LED0603 3692.31,5059.85 r90 top (schematic designator D3)
D3_PostIsolation11_Isolation11 "LED" LED0603 2832.25,5059.85 r90 top (schematic designator D3)
D3_PostIsolation12_Isolation12 "LED" LED0603 1972.19,5059.85 r90 top (schematic designator D3)
D4_PostIsolation1_Isolation1 "LED" LED0603 11531.25,5059.85 r90 top (schematic designator D4)
D4_PostIsolation2_Isolation2 "LED" LED0603 10671.12,5059.87 r90 top (schematic designator D4)
D4_PostIsolation3_Isolation3 "LED" LED0603 9811.06,5059.87 r90 top (schematic designator D4)
D4_PostIsolation4_Isolation4 "LED" LED0603 8951.06,5060.3 r90 top (schematic designator D4)
D4_PostIsolation5_Isolation5 "LED" LED0603 8091,5059.85 r90 top (schematic designator D4)
D4_PostIsolation6_Isolation6 "LED" LED0603 7230.94,5059.85 r90 top (schematic designator D4)
D4_PostIsolation7_Isolation7 "LED" LED0603 6370.87,5059.85 r90 top (schematic designator D4)
D4_PostIsolation8_Isolation8 "LED" LED0603 5510.81,5059.85 r90 top (schematic designator D4)
D4_PostIsolation9_Isolation9 "LED" LED0603 4650.75,5059.85 r90 top (schematic designator D4)
D4_PostIsolation10_Isolation10 "LED" LED0603 3790.69,5059.85 r90 top (schematic designator D4)
D4_PostIsolation11_Isolation11 "LED" LED0603 2930.63,5059.85 r90 top (schematic designator D4)
D4_PostIsolation12_Isolation12 "LED" LED0603 2070.57,5059.85 r90 top (schematic designator D4)
D5_PostIsolation1_Drive1 "1N4148" sod-123 11523.59,5672.55 r90 top (schematic designator D5)
D5_PostIsolation1_Drive2 "1N4148" sod-123 11308.58,5672.42 r90 top (schematic designator D5)
D5_PostIsolation1_Drive3 "1N4148" sod-123 11093.44,5672.42 r90 top (schematic designator D5)
D5_PostIsolation1_Drive4 "1N4148" sod-123 10878.66,5672.42 r90 top (schematic designator D5)
D5_PostIsolation2_Drive1 "1N4148" sod-123 10663.54,5672.42 r90 top (schematic designator D5)
D5_PostIsolation2_Drive2 "1N4148" sod-123 10448.52,5672.42 r90 top (schematic designator D5)
D5_PostIsolation2_Drive3 "1N4148" sod-123 10233.51,5672.42 r90 top (schematic designator D5)
D5_PostIsolation2_Drive4 "1N4148" sod-123 10018.49,5672.42 r90 top (schematic designator D5)
D5_PostIsolation3_Drive1 "1N4148" sod-123 9803.48,5672.42 r90 top (schematic designator D5)
D5_PostIsolation3_Drive2 "1N4148" sod-123 9588.46,5672.42 r90 top (schematic designator D5)
D5_PostIsolation3_Drive3 "1N4148" sod-123 9373.45,5672.42 r90 top (schematic designator D5)
D5_PostIsolation3_Drive4 "1N4148" sod-123 9158.43,5672.42 r90 top (schematic designator D5)
D5_PostIsolation4_Drive1 "1N4148" sod-123 8943.42,5672.29 r90 top (schematic designator D5)
D5_PostIsolation4_Drive2 "1N4148" sod-123 8728.4,5672.42 r90 top (schematic designator D5)
D5_PostIsolation4_Drive3 "1N4148" sod-123 8513.38,5672.42 r90 top (schematic designator D5)
D5_PostIsolation4_Drive4 "1N4148" sod-123 8298.37,5672.87 r90 top (schematic designator D5)
D5_PostIsolation5_Drive1 "1N4148" sod-123 8083.35,5672.42 r90 top (schematic designator D5)
D5_PostIsolation5_Drive2 "1N4148" sod-123 7868.34,5672.42 r90 top (schematic designator D5)
D5_PostIsolation5_Drive3 "1N4148" sod-123 7653.32,5672.42 r90 top (schematic designator D5)
D5_PostIsolation5_Drive4 "1N4148" sod-123 7438.31,5672.42 r90 top (schematic designator D5)
D5_PostIsolation6_Drive1 "1N4148" sod-123 7223.29,5672.42 r90 top (schematic designator D5)
D5_PostIsolation6_Drive2 "1N4148" sod-123 7008.28,5672.42 r90 top (schematic designator D5)
D5_PostIsolation6_Drive3 "1N4148" sod-123 6793.26,5672.42 r90 top (schematic designator D5)
D5_PostIsolation6_Drive4 "1N4148" sod-123 6578.25,5672.42 r90 top (schematic designator D5)
D5_PostIsolation7_Drive1 "1N4148" sod-123 6363.23,5672.42 r90 top (schematic designator D5)
D5_PostIsolation7_Drive2 "1N4148" sod-123 6148.22,5672.42 r90 top (schematic designator D5)
D5_PostIsolation7_Drive3 "1N4148" sod-123 5933.2,5672.42 r90 top (schematic designator D5)
D5_PostIsolation7_Drive4 "1N4148" sod-123 5718.19,5672.42 r90 top (schematic designator D5)
D5_PostIsolation8_Drive1 "1N4148" sod-123 5503.17,5672.42 r90 top (schematic designator D5)
D5_PostIsolation8_Drive2 "1N4148" sod-123 5288.16,5672.42 r90 top (schematic designator D5)
D5_PostIsolation8_Drive3 "1N4148" sod-123 5073.14,5672.42 r90 top (schematic designator D5)
D5_PostIsolation8_Drive4 "1N4148" sod-123 4858.13,5672.42 r90 top (schematic designator D5)
D5_PostIsolation9_Drive1 "1N4148" sod-123 4643.11,5672.42 r90 top (schematic designator D5)
D5_PostIsolation9_Drive2 "1N4148" sod-123 4428.1,5672.42 r90 top (schematic designator D5)
D5_PostIsolation9_Drive3 "1N4148" sod-123 4213.08,5672.42 r90 top (schematic designator D5)
D5_PostIsolation9_Drive4 "1N4148" sod-123 3998.07,5672.42 r90 top (schematic designator D5)
D5_PostIsolation10_Drive1 "1N4148" sod-123 3783.05,5672.42 r90 top (schematic designator D5)
D5_PostIsolation10_Drive2 "1N4148" sod-123 3568.04,5672.42 r90 top (schematic designator D5)
D5_PostIsolation10_Drive3 "1N4148" sod-123 3353.02,5672.42 r90 top (schematic designator D5)
D5_PostIsolation10_Drive4 "1N4148" sod-123 3138,5672.42 r90 top (schematic designator D5)
D5_PostIsolation11_Drive1 "1N4148" sod-123 2922.99,5672.42 r90 top (schematic designator D5)
D5_PostIsolation11_Drive2 "1N4148" sod-123 2707.97,5672.42 r90 top (schematic designator D5)
D5_PostIsolation11_Drive3 "1N4148" sod-123 2492.96,5672.42 r90 top (schematic designator D5)
D5_PostIsolation11_Drive4 "1N4148" sod-123 2277.94,5672.42 r90 top (schematic designator D5)
D5_PostIsolation12_Drive1 "1N4148" sod-123 2062.93,5672.42 r90 top (schematic designator D5)
D5_PostIsolation12_Drive2 "1N4148" sod-123 1847.91,5672.42 r90 top (schematic designator D5)
D5_PostIsolation12_Drive3 "1N4148" sod-123 1632.9,5672.42 r90 top (schematic designator D5)
D5_PostIsolation12_Drive4 "1N4148" sod-123 1417.88,5672.42 r90 top (schematic designator D5)
D6_PostIsolation1_Drive1 "1N4007" 1N4148 11466.7,6477.12 r180 top (schematic designator D6)
D6_PostIsolation1_Drive2 "1N4007" 1N4148 11251.69,6476.99 r180 top (schematic designator D6)
D6_PostIsolation1_Drive3 "1N4007" 1N4148 11036.54,6476.99 r180 top (schematic designator D6)
D6_PostIsolation1_Drive4 "1N4007" 1N4148 10821.76,6476.99 r180 top (schematic designator D6)
D6_PostIsolation2_Drive1 "1N4007" 1N4148 10606.64,6476.99 r180 top (schematic designator D6)
D6_PostIsolation2_Drive2 "1N4007" 1N4148 10391.63,6476.99 r180 top (schematic designator D6)
D6_PostIsolation2_Drive3 "1N4007" 1N4148 10176.61,6476.99 r180 top (schematic designator D6)
D6_PostIsolation2_Drive4 "1N4007" 1N4148 9961.6,6476.99 r180 top (schematic designator D6)
D6_PostIsolation3_Drive1 "1N4007" 1N4148 9746.58,6476.99 r180 top (schematic designator D6)
D6_PostIsolation3_Drive2 "1N4007" 1N4148 9531.56,6476.99 r180 top (schematic designator D6)
D6_PostIsolation3_Drive3 "1N4007" 1N4148 9316.55,6476.99 r180 top (schematic designator D6)
D6_PostIsolation3_Drive4 "1N4007" 1N4148 9101.53,6476.99 r180 top (schematic designator D6)
D6_PostIsolation4_Drive1 "1N4007" 1N4148 8886.52,6476.85 r180 top (schematic designator D6)
D6_PostIsolation4_Drive2 "1N4007" 1N4148 8671.5,6476.99 r180 top (schematic designator D6)
D6_PostIsolation4_Drive3 "1N4007" 1N4148 8456.49,6476.99 r180 top (schematic designator D6)
D6_PostIsolation4_Drive4 "1N4007" 1N4148 8241.47,6477.43 r180 top (schematic designator D6)
D6_PostIsolation5_Drive1 "1N4007" 1N4148 8026.46,6476.99 r180 top (schematic designator D6)
D6_PostIsolation5_Drive2 "1N4007" 1N4148 7811.44,6476.99 r180 top (schematic designator D6)
D6_PostIsolation5_Drive3 "1N4007" 1N4148 7596.43,6476.99 r180 top (schematic designator D6)
D6_PostIsolation5_Drive4 "1N4007" 1N4148 7381.41,6476.99 r180 top (schematic designator D6)
D6_PostIsolation6_Drive1 "1N4007" 1N4148 7166.4,6476.99 r180 top (schematic designator D6)
D6_PostIsolation6_Drive2 "1N4007" 1N4148 6951.38,6476.99 r180 top (schematic designator D6)
D6_PostIsolation6_Drive3 "1N4007" 1N4148 6736.37,6476.99 r180 top (schematic designator D6)
D6_PostIsolation6_Drive4 "1N4007" 1N4148 6521.35,6476.99 r180 top (schematic designator D6)
D6_PostIsolation7_Drive1 "1N4007" 1N4148 6306.34,6476.99 r180 top (schematic designator D6)
D6_PostIsolation7_Drive2 "1N4007" 1N4148 6091.32,6476.99 r180 top (schematic designator D6)
D6_PostIsolation7_Drive3 "1N4007" 1N4148 5876.31,6476.99 r180 top (schematic designator D6)
D6_PostIsolation7_Drive4 "1N4007" 1N4148 5661.29,6476.99 r180 top (schematic designator D6)
D6_PostIsolation8_Drive1 "1N4007" 1N4148 5446.28,6476.99 r180 top (schematic designator D6)
D6_PostIsolation8_Drive2 "1N4007" 1N4148 5231.26,6476.99 r180 top (schematic designator D6)
D6_PostIsolation8_Drive3 "1N4007" 1N4148 5016.25,6476.99 r180 top (schematic designator D6)
D6_PostIsolation8_Drive4 "1N4007" 1N4148 4801.23,6476.99 r180 top (schematic designator D6)
D6_PostIsolation9_Drive1 "1N4007" 1N4148 4586.22,6476.99 r180 top (schematic designator D6)
D6_PostIsolation9_Drive2 "1N4007" 1N4148 4371.2,6476.99 r180 top (schematic designator D6)
D6_PostIsolation9_Drive3 "1N4007" 1N4148 4156.18,6476.99 r180 top (schematic designator D6)
D6_PostIsolation9_Drive4 "1N4007" 1N4148 3941.17,6476.99 r180 top (schematic designator D6)
D6_PostIsolation10_Drive1 "1N4007" 1N4148 3726.15,6476.99 r180 top (schematic designator D6)
D6_PostIsolation10_Drive2 "1N4007" 1N4148 3511.14,6476.99 r180 top (schematic designator D6)
D6_PostIsolation10_Drive3 "1N4007" 1N4148 3296.12,6476.99 r180 top (schematic designator D6)
D6_PostIsolation10_Drive4 "1N4007" 1N4148 3081.11,6476.99 r180 top (schematic designator D6)
D6_PostIsolation11_Drive1 "1N4007" 1N4148 2866.09,6476.99 r180 top (schematic designator D6)
D6_PostIsolation11_Drive2 "1N4007" 1N4148 2651.08,6476.99 r180 top (schematic designator D6)
D6_PostIsolation11_Drive3 "1N4007" 1N4148 2436.06,6476.99 r180 top (schematic designator D6)
D6_PostIsolation11_Drive4 "1N4007" 1N4148 2221.05,6476.99 r180 top (schematic designator D6)
D6_PostIsolation12_Drive1 "1N4007" 1N4148 2006.03,6476.99 r180 top (schematic designator D6)
D6_PostIsolation12_Drive2 "1N4007" 1N4148 1791.02,6476.99 r180 top (schematic designator D6)
D6_PostIsolation12_Drive3 "1N4007" 1N4148 1576,6476.99 r180 top (schematic designator D6)
D6_PostIsolation12_Drive4 "1N4007" 1N4148 1360.99,6476.99 r180 top (schematic designator D6)
D7 "SS34" SS34 11835.96,6253.95 r0 top
D8 "LED" LED0603 11886.19,5130.75 r0 top
D9 "LED" LED0603 11886.19,4957.72 r0 top
D10 "LED" LED0603 11886.19,4778.68 r0 top
D11 "ZMM5V6-M" ZMM5V6-M 11221.02,3564.73 r180 top
J1 "HDR2X5" HDR2X5-NJ 8226.96,3222.89 r180 top
J2_PostIsolation1_Interface1 "HDR1X8" KF15EDGK-3.81-8P 11174.44,7484.14 r90 top (schematic designator J2)
J2_PostIsolation2_Interface2 "HDR1X8" KF15EDGK-3.81-8P 10310.26,7484.2 r90 top (schematic designator J2)
J2_PostIsolation3_Interface3 "HDR1X8" KF15EDGK-3.81-8P 9450.2,7484.14 r90 top (schematic designator J2)
J2_PostIsolation4_Interface4 "HDR1X8" KF15EDGK-3.81-8P 8590.14,7484.2 r90 top (schematic designator J2)
J2_PostIsolation5_Interface5 "HDR1X8" KF15EDGK-3.81-8P 7730.08,7484.2 r90 top (schematic designator J2)
J2_PostIsolation6_Interface6 "HDR1X8" KF15EDGK-3.81-8P 6870.02,7484.2 r90 top (schematic designator J2)
J2_PostIsolation7_Interface7 "HDR1X8" KF15EDGK-3.81-8P 6009.96,7484.2 r90 top (schematic designator J2)
J2_PostIsolation8_Interface8 "HDR1X8" KF15EDGK-3.81-8P 5149.9,7484.2 r90 top (schematic designator J2)
J2_PostIsolation9_Interface9 "HDR1X8" KF15EDGK-3.81-8P 4289.84,7484.2 r90 top (schematic designator J2)
J2_PostIsolation10_Interface10 "HDR1X8" KF15EDGK-3.81-8P 3429.78,7484.2 r90 top (schematic designator J2)
J2_PostIsolation11_Interface11 "HDR1X8" KF15EDGK-3.81-8P 2569.72,7484.2 r90 top (schematic designator J2)
J2_PostIsolation12_Interface12 "HDR1X8" KF15EDGK-3.81-8P 1709.65,7484.2 r90 top (schematic designator J2)
J3 "HDR1X4" KF301-5.0-4P 11894.56,6786.86 r90 top
J4 "HDR1X2" KF301-5.0-2P 11877.19,3666.63 r90 top
J5 "GE-8" RJ45-UP 10185.59,3423.56 r0 top